# Altium PCB OCP-TimeCardMini-TI_V1.PcbDoc (part 6 of 11) (continued)
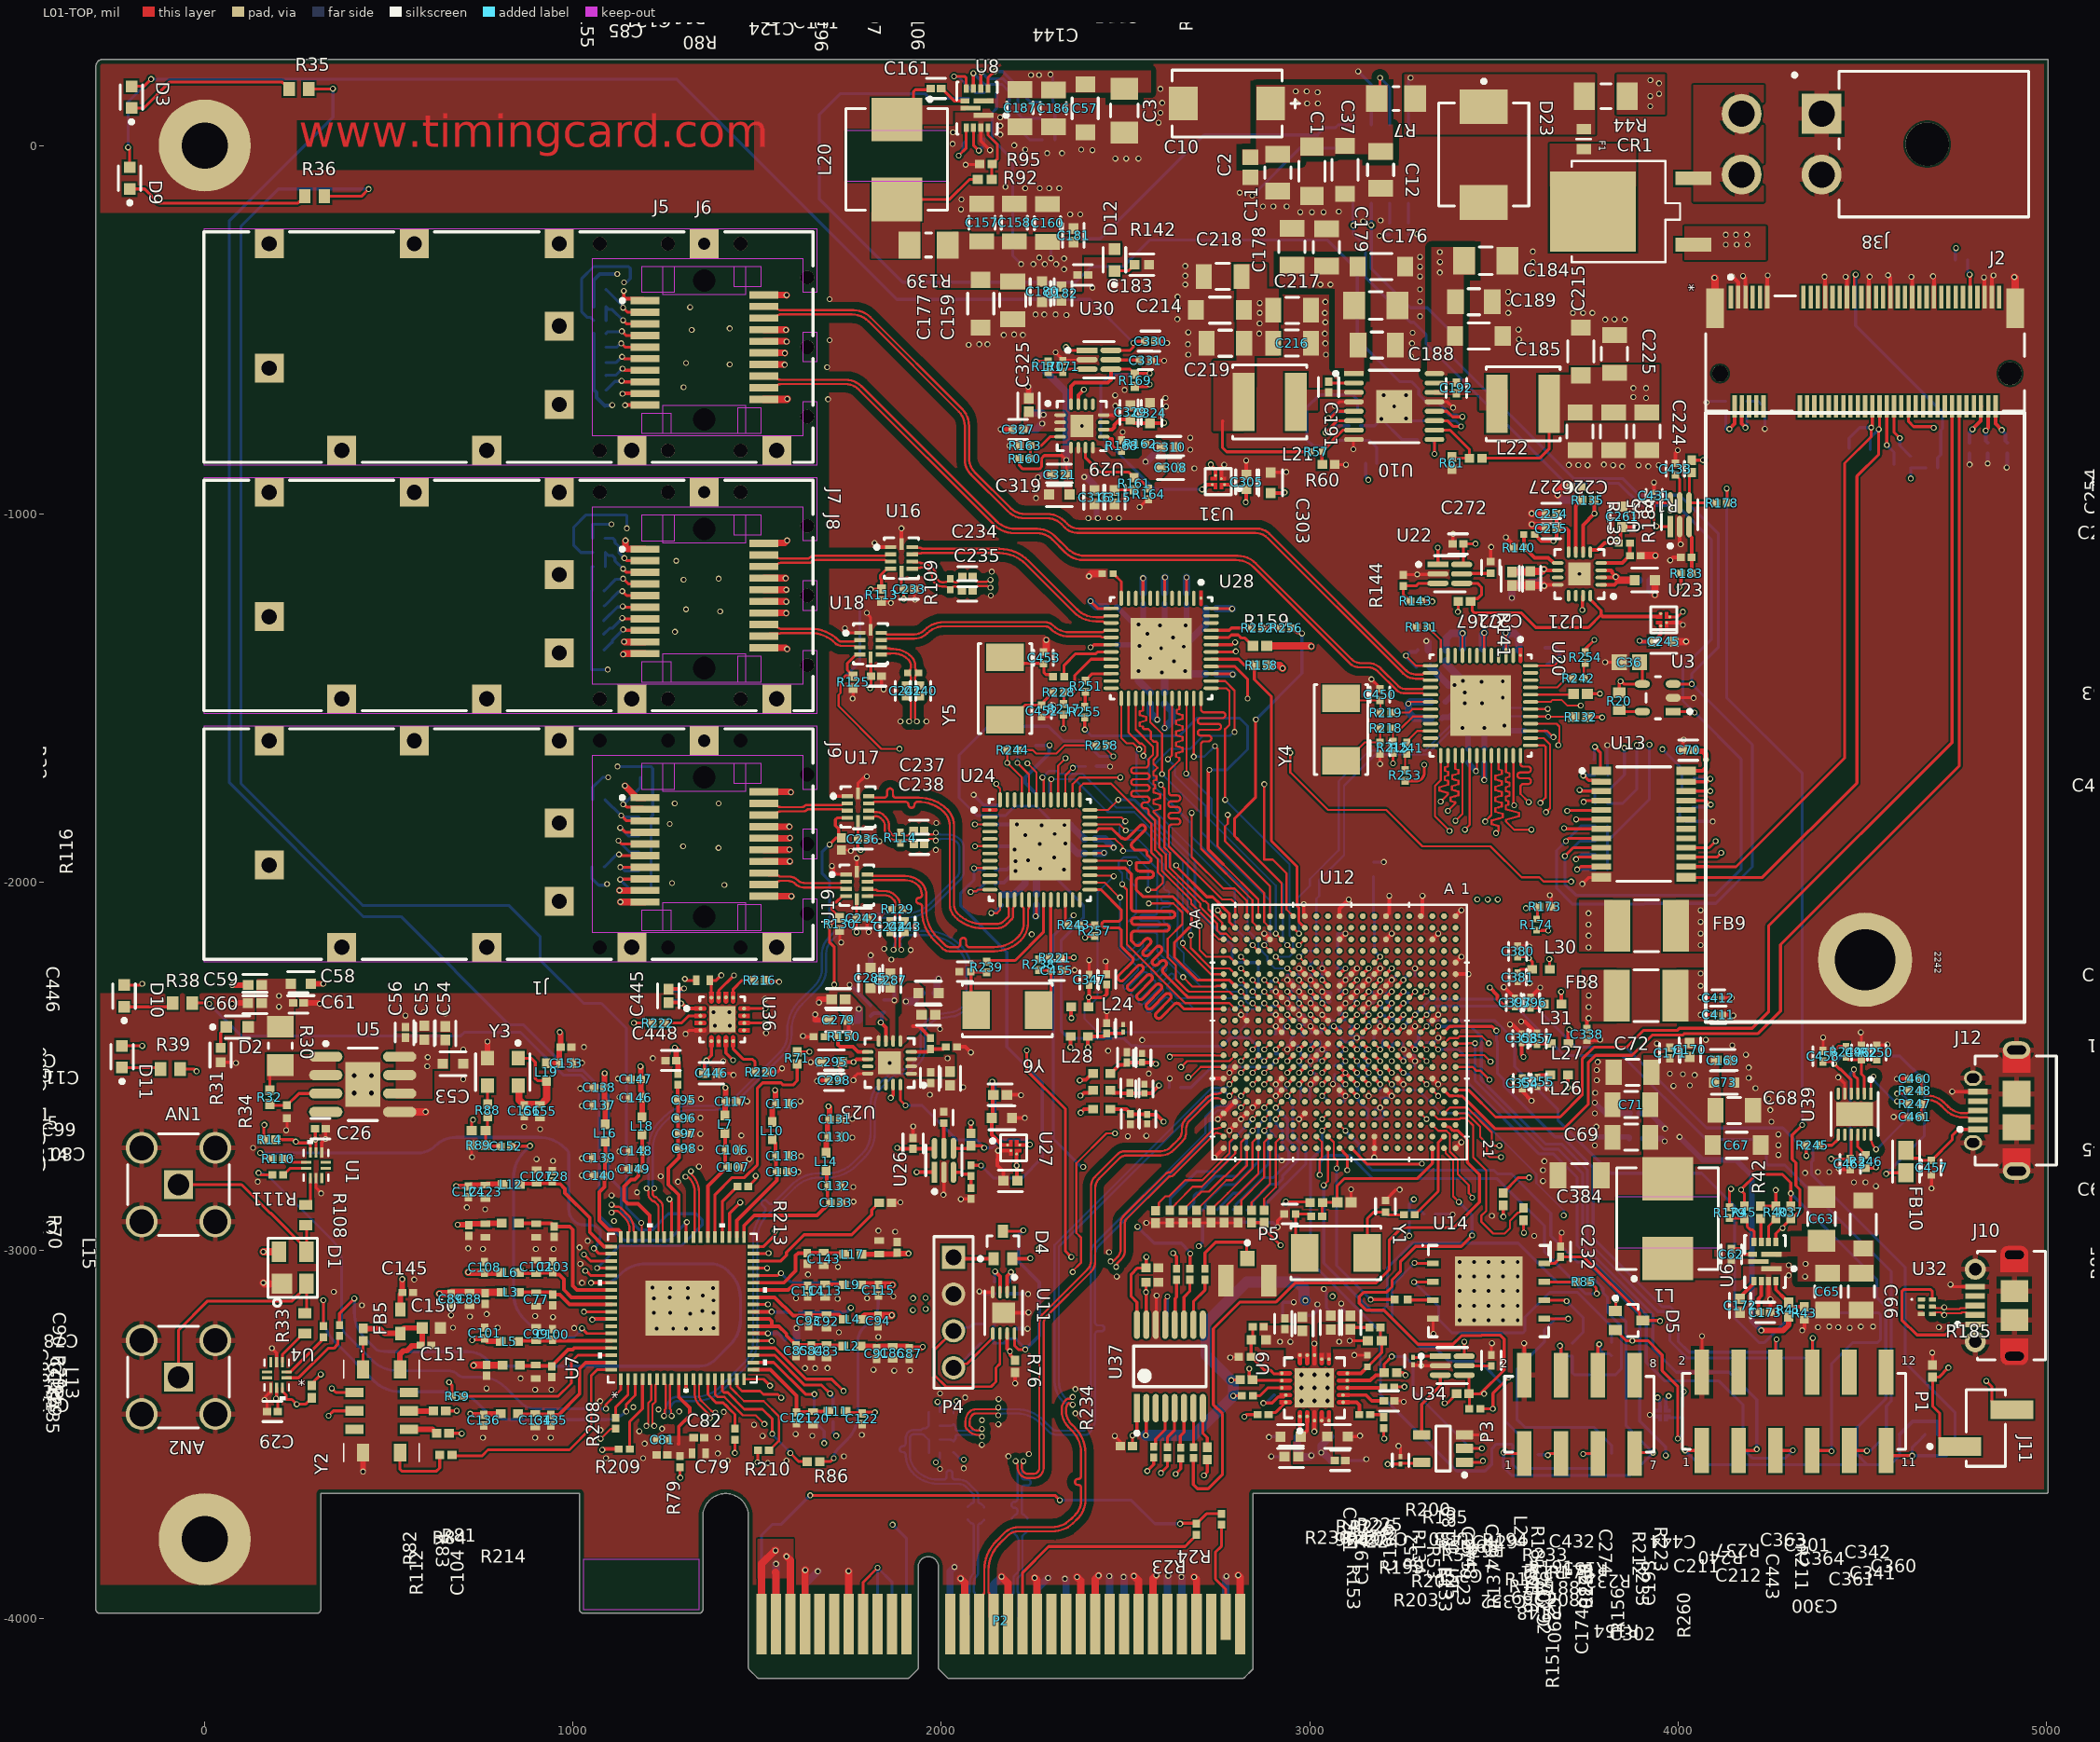
[diagram p0: L01-TOP view]
## Nets (pads, with @x,y where several pads share a name; then routed paths per layer and width w, separated by ;. In a path a pad name is that pad's centre, name@x,y a point inside that pad or via, vN(x,y) a via of type N, cw(c..) or ccw(c..) an arc to the next point about the centre after c; other vN are vias at no path point) (continued)
  L10-BOT w8: R28.2@1053.16,-1776.42 1053.16,-1742.82 1080.59,-1715.4 v3(1095.31,-1715.4) ; R18.2@1054.03,-1104.98 1020.91,-1104.98 1001.97,-1086.05 1001.97,-1035.85 1034.45,-1003.37 1143.65,-1003.37 1146.21,-1005.93 v3(1146.21,-1039.31) ; R9.2@1056.1,-474.6 1048.29,-466.79 1038.86,-466.79 1023.62,-451.56 1023.62,-361.14 1056.03,-328.73 1150.82,-328.73 1155.51,-333.42 1155.51,-361.05 1145.06,-371.49 v3(1138.2,-371.49) ; C105.2@1389.93,-2518.84 1428.42,-2518.84 1433.14,-2523.56 v1(1435.3,-2523.56) ; C276.2@2183,-2639.63 2183.43,-2640.06 v1(2226.45,-2640.06) ; v1(2556.43,-2925.24) 2620.77,-2925.24 R201.1@2620.99,-2925.03 ; v1(2584.22,-3122.44) 2584.94,-3123.16 C451.2@2584.94,-3179.33 ; R72.1@2618.03,-2558.07 2618.99,-2557.11 2618.99,-2534.25 v3(2619.94,-2533.3) ; R193.1@2749.07,-2923.02 2875.18,-2923.02 R198.1@2876.49,-2924.33 2900.31,-2924.33 2912.73,-2936.75 v1(2912.99,-2936.75) ; v1(2844.14,-136.45) 2974.87,-5.72 C19.1@3022.21,-5.72 3023.37,-6.89 C20.2@3069.11,-6.89 ; v1(2889.12,-3506.78) 2890.47,-3505.43 C198.2@2929.86,-3505.43 ; C334.1@2893.81,-2292.8 2907.99,-2292.8 v2(2907.99,-2297.08) ; v1(2895.59,-3559.4) 2896.19,-3560 C200.2@2940.68,-3560 ; C390.2@2896.19,-2356.79 2907.99,-2356.79 v2(2907.99,-2360.07) ; C335.1@2905.63,-2412.56 2907.99,-2412.56 v2(2907.99,-2391.57) ; v2(2907.99,-2549.05) 2907.99,-2551.21 2909.89,-2553.11 2909.89,-2561.02 2911.06,-2562.19 C350.2@2912.86,-2562.19 ; C206.2@2926.77,-3179.25 2926.77,-3140.69 v1(2956.64,-3140.69) ; v2(2939.49,-2454.56) 2939.49,-2442.78 C344.2@2944.82,-2442.78 2946.62,-2442.78 2947.79,-2441.61 2947.79,-2427.97 2950.13,-2425.64 2950.13,-2423.84 2955.23,-2418.73 C346.2@2957.03,-2418.73 ; v2(2939.49,-2328.57) 2939.49,-2326.41 2942.32,-2323.58 2942.32,-2314.03 2943.49,-2312.86 C382.2@2945.29,-2312.86 ; C392.2@2943.58,-2250.87 2939.49,-2250.87 v2(2939.49,-2265.58) 2939.49,-2270.61 C391.2@2953.44,-2270.61 ; C389.2@2967.44,-2373.79 2968.28,-2373.79 2969.45,-2372.62 2969.45,-2361.6 v2(2970.98,-2360.07) 2973.15,-2360.07 2974.79,-2361.71 2984.3,-2361.71 2985.47,-2362.88 C345.2@2985.47,-2364.68 ; C205.2@2980.28,-3176.37 3008.68,-3176.37 3019.42,-3165.63 3019.42,-3148.22 v1(3020.95,-3146.69) ; C343.2@2998.6,-2471.07 2999.78,-2471.07 3000.95,-2472.24 3000.95,-2484.52 v2(3002.48,-2486.05) 3000.95,-2487.58 3000.95,-2499.75 2999.78,-2500.92 C349.2@2998.99,-2500.92 ; C385.2@3000.12,-2588.25 2999.47,-2587.6 2999.47,-2563.11 3000.95,-2561.63 3000.95,-2550.58 v2(3002.48,-2549.05) 3004.01,-2547.52 3011.92,-2547.52 C336.1@3014.81,-2544.62 ; v2(3002.48,-2265.58) 3002.48,-2251.1 C393.2@3009.72,-2251.1 ; C409.2@3020.53,-2460.32 3020.53,-2458.52 3021.7,-2457.35 3029.02,-2457.35 3031.81,-2454.56 v2(3033.97,-2454.56) ; C362.2@3028.82,-2432.65 3028.82,-2447.24 3033.97,-2452.39 v2(3033.97,-2454.56) ; C394.2@3032.22,-2219.31 3033.97,-2219.31 v2(3033.97,-2234.09) ; v1(3038.67,-3104.95) 3038.67,-3107.11 3045.11,-3113.55 3045.11,-3155.5 C210.2@3057.82,-3168.21 ; C367.2@3052.78,-2468.22 3050.98,-2468.22 3044.58,-2461.82 3043.2,-2461.82 3035.93,-2454.56 v2(3033.97,-2454.56) ; C369.2@3055.14,-2444.65 3054.21,-2445.58 3042.96,-2445.58 v2(3033.97,-2454.56) ; v3(3063.02,-2548.51) 3063.02,-2546.35 3067.8,-2541.57 C339.1@3067.8,-2521.84 ; C414.2@3076.1,-2193.87 3076.1,-2139.6 v2(3096.97,-2139.6) ; 3076.82,-2598.46 3079.96,-2595.32 3092.69,-2595.32 3095.44,-2592.58 3095.44,-2582.07 v2(3096.97,-2580.54) ; C387.2@3080.11,-2575.79 3080.11,-2577.59 3081.28,-2578.76 3093.02,-2578.76 v2@3094.8,-2580.54 ; C418.2@3085.25,-2424.25 3085.25,-2425.69 3089.19,-2429.63 3090.63,-2429.63 3095.54,-2434.53 3114.1,-2434.53 v2@3125.77,-2422.86 ; v1(3085.83,-3144.37) 3087.36,-3145.9 3087.36,-3157.24 3110.14,-3180.02 C213.2@3110.14,-3181.38 ; C203.2@3096.22,-3570.08 3150.3,-3570.08 v1(3153.66,-3566.72) ; v2(3096.97,-2265.58) C434.2@3105.76,-2256.79 ; C371.2@3109.31,-2413.45 3109.31,-2415.24 3110.48,-2416.42 3119.32,-2416.42 v2@3125.77,-2422.86 ; C434.2@3119.67,-2242.87 v2(3128.46,-2234.09) ; v2(3128.46,-2297.08) 3128.46,-2294.91 3131.7,-2291.68 3131.7,-2286.4 3132.87,-2285.23 C417.2@3134.67,-2285.23 ; v1(3131.84,201.01) 3167.57,165.28 U2.6@3167.57,56.1 ; C195.1@3137.24,-760.53 3176.42,-760.53 v1(3194.63,-742.32) 3250.55,-798.24 C209.1@3293.16,-798.24 ; C356.2@3145.43,-2420.51 3144.26,-2421.68 3129.12,-2421.68 v2(3127.94,-2422.86) v2@3125.77,-2422.86 ; C368.2@3149.5,-2480.86 3149.5,-2482.66 3150.67,-2483.83 3155.57,-2483.83 3157.79,-2486.05 v2(3159.96,-2486.05) ; C425.2@3153.93,-2526.72 3155.73,-2526.72 3156.9,-2525.55 3156.9,-2523.75 3158.43,-2522.23 3158.43,-2519.08 v2(3159.96,-2517.55) ; C410.2@3155.28,-2499.43 3157.08,-2499.43 3158.25,-2498.26 3158.25,-2496.46 3158.43,-2496.29 v2@3158.43,-2487.58 ; v2(3159.96,-2328.57) 3160.9,-2327.63 3173.23,-2327.63 C415.2@3174.17,-2326.69 ; v2(3159.96,-2265.58) C435.2@3169.79,-2255.75 ; R66.1@3173.23,-1945.87 3200.76,-1945.87 v1(3201.19,-1945.45) ; C333.1@3174.43,-2427.51 3174.43,-2408.59 v2(3191.45,-2391.57) 3189.92,-2390.04 3189.92,-2382.37 3184.67,-2377.12 C395.2@3182.88,-2377.12 ; C428.2@3176.87,-2642.22 3193.17,-2642.22 3201.7,-2633.68 3201.7,-2624.45 3191.45,-2614.2 v2(3191.45,-2612.04) 3189.29,-2612.04 3185.67,-2615.66 3179.68,-2615.66 C426.2@3178.51,-2616.83 ; C435.2@3183.71,-2241.83 v2(3191.45,-2234.09) ; v1(3189.56,-245.18) 3192.62,-242.13 R62.2@3216.88,-242.13 ; C400.2@3191.51,-2585.97 3215.36,-2585.97 3220.79,-2580.54 v2(3222.95,-2580.54) ; C401.2@3209.08,-2322.99 3209.08,-2324.78 3210.25,-2325.96 3218.17,-2325.96 3220.79,-2328.57 v2(3222.95,-2328.57) 3222.95,-2330.74 3220.19,-2333.5 3220.19,-2340.95 3219.01,-2342.12 C379.2@3217.22,-2342.12 ; v2(3222.95,-2265.58) 3237.1,-2251.44 3237.1,-2251.2 3240.14,-2248.16 C436.2@3240.14,-2246.86 ; C386.2@3251.47,-2436.86 3252.96,-2438.34 3252.96,-2453.07 v2(3254.45,-2454.56) ; C403.2@3252.16,-2373.32 3253.3,-2372.17 3253.3,-2361.21 v2(3254.45,-2360.07) ; v2(3254.45,-2297.08) 3256.61,-2297.08 3259.89,-2300.35 3266.99,-2300.35 3268.16,-2301.52 C402.2@3268.16,-2303.32 ; v1(3261.19,-740.74) 3263.36,-740.74 3269.68,-747.06 C196.2@3323.73,-747.06 ; R64.2@3267.57,-242.13 3289.93,-242.13 v1(3291.53,-240.53) ; C405.2@3280.71,-2470.34 3282.51,-2470.34 3283.68,-2471.51 3283.68,-2481.63 3285.94,-2483.89 v2(3285.94,-2486.05) 3284.85,-2487.15 3284.85,-2497.22 C399.2@3283.75,-2498.32 ; v2(3285.94,-2234.09) 3286.25,-2234.39 3286.25,-2253.61 C416.2@3286.55,-2253.92 ; C423.2@3315.56,-2435.6 3336.54,-2435.6 v3(3349.43,-2422.71) ; R187.2@3340.64,-2901.3 3386.98,-2901.3 v1(3388.18,-2902.5) ; v1(3807.99,-1628.12) 3806.71,-1629.39 R126.1@3806.71,-1667.51 3808.16,-1668.96 3808.16,-1708.19 R127.1@3809.62,-1709.64 ; v1(3923.48,-3446.31) 3927.92,-3450.75 U15.2@3951.15,-3450.75 ; R128.1@4004.5,-1796.26 4004.5,-1819.88 4019.69,-1835.08 v1(4094.36,-1835.08) ; v1(4077.41,-697.47) 4080.6,-694.28 C164.2@4129.49,-694.28 ; C165.2@4187.01,-694.28 4217.89,-694.28 4235.58,-711.98 v1(4235.58,-769.37) ; C459.2@4393.5,-2454.76 4393.5,-2422.36 v1(4394.14,-2421.73) ; v1(4436.55,-2777.95) 4437.59,-2778.99 4466.32,-2778.99 C464.2@4467.36,-2780.03
  L10-BOT w10: C447.2@1258.82,-2294.38 1294.04,-2294.38 1299.73,-2288.69 v1(1301.36,-2288.69) ; v1(1645.19,-2488.79) 1645.36,-2488.62 1682.86,-2488.62 C296.2@1683.03,-2488.44 ; v1(1750.94,-2278.59) 1752.49,-2278.59 R152.1@1808.23,-2334.34 ; v1(2087.71,-1762.83) 2115.67,-1790.79 C289.2@2159.45,-1790.79 ; v1(2103.3,-3111.46) 2104.92,-3111.46 2111.23,-3117.77 R77.1@2144.1,-3117.77 ; C294.2@2146.26,-1966.17 2178.09,-1966.17 v1(2200.79,-1943.47) ; C293.2@2146.26,-1843.35 v1(2205.5,-1843.35) ; R145.2@2146.63,-2005.54 2150.49,-2001.68 2169.21,-2001.68 v1(2201.56,-1969.33) ; C284.2@2155.24,-1902.89 2188.28,-1902.89 2197.2,-1911.81 v1(2198.82,-1911.81) ; R78.2@2183.47,-3117.77 2234.89,-3117.77 v1(2235.47,-3118.35) ; C76.2@2203.16,-3211.13 2204.68,-3212.66 v1(2233.93,-3212.66) ; C282.2@2420.91,-1685.38 2456.92,-1685.38 v1(2458.03,-1686.5) ; v1(2827.61,-855.47) 2828.16,-856.03 C304.2@2828.16,-895.13 ; R172.1@2907.99,-2722.35 2907.99,-2739.12 v3(2924.36,-2755.49) ; v2(2939.49,-2328.57) 2939.49,-2330.2 2944.51,-2335.22 C376.2@2944.51,-2343.61 ; v2(2970.98,-2297.08) 2972.13,-2295.93 C375.2@2972.13,-2286.08 ; v2(3002.48,-2391.57) 3002.48,-2393.19 3006.24,-2396.95 3006.24,-2407.14 3006.42,-2407.31 C378.2@3008.21,-2407.31 ; v2(3002.48,-2328.57) 3002.48,-2326.95 3007.74,-2321.69 3007.74,-2313.59 C374.2@3007.91,-2313.42 ; v2(3033.97,-2297.08) 3035.6,-2297.08 3039.96,-2301.44 3056.51,-2301.44 3056.68,-2301.61 C383.2@3056.68,-2303.41 ; C373.2@3080.67,-2273.52 3080.67,-2271.72 3080.84,-2271.55 3089.37,-2271.55 3095.34,-2265.58 v2(3096.97,-2265.58) ; C166.2@4791.34,-836.24 4791.34,-865.34 v1(4792.03,-866.03) ; C167.2@4840.55,-836.24 4840.55,-863.18 v1(4840.65,-863.27) ; v1(4892.36,-874.31) 4893.7,-872.97 C168.2@4893.7,-836.24
  L10-BOT w15: v1(1657.51,-2359.1) 1657.51,-2374.39 C281.2@1701.4,-2374.39 ; C286.2@1807.3,-2242.08 1807.3,-2198.42 v1(1808.23,-2198.42) ; v1(2235.84,-654.57) 2238.97,-657.71 C328.2@2238.97,-696.86 ; v1(2262.19,-900.79) 2262.46,-900.79 2268.85,-894.41 C320.2@2301.89,-894.41 ; C314.2@2415.67,-977.92 2421.95,-984.2 2421.95,-1008.76 2424.89,-1011.7 v1(2424.89,-1011.97) ; C307.2@2475.26,-1355.39 2533.99,-1355.39 2537.43,-1358.83 v1(2537.7,-1358.83) ; C318.2@2475.26,-1252.25 2476.62,-1252.25 2524.79,-1300.42 2534.69,-1300.42 v1(2534.88,-1300.61) ; v1@2534.88,-1300.34 2547.51,-1287.72 C322.2@2547.51,-1243.77 ; v1(2593.02,-1302.85) 2593.02,-1302.58 2606.56,-1289.04 C311.2@2606.56,-1243.77 ; v1(2663.51,-1302.77) 2663.51,-1302.5 2665.62,-1300.39 C323.2@2665.62,-1243.77 ; C248.2@3358.58,-1554.74 3361.16,-1552.16 3379.02,-1552.16 3416.99,-1514.19 3421.13,-1514.19 v1(3421.32,-1514) ; C247.2@3367.74,-1510.66 3368.58,-1510.66 3393.87,-1485.38 3420.7,-1485.38 v1(3420.9,-1485.18) ; v1(3414.58,-1580.97) 3414.58,-1581.25 3429.7,-1596.36 C246.2@3429.7,-1637.99 ; C251.2@3473.78,-1637.99 v1(3473.78,-1580.97) ; v1(3528.12,-1574.43) 3528.4,-1574.43 3543.11,-1589.15 C250.2@3583.03,-1589.15 ; v1(3774.18,-2598.51) 3803.46,-2627.79 C366.2@3869.95,-2627.79 ; v1(3775.17,-2691.43) 3775.36,-2691.62 3866.44,-2691.62 3867.8,-2692.98 C365.2@3867.8,-2696.51
  L10-BOT w20: C74.1@1606.67,-3242.9 1606.67,-3210.96 v1(1606.81,-3210.82) ; P2.A4@1629.92,-4014.27 1629.92,-3905.74 v1(1664.54,-3871.12) ; C291.2@1983.44,-2301.62 1984.75,-2301.62 1987.99,-2298.39 1987.99,-2266.61 v1(1992.63,-2261.97) ; P2.A12@2023.62,-4014.27 2023.62,-3871.26 v1(2035.34,-3859.53) ; P2.A15@2141.73,-4014.27 2141.73,-3907.24 v1(2163.16,-3885.82) ; C288.2@2164.16,-2033.71 2197.44,-2033.71 2227.24,-2003.9 2227.24,-1949.22 v1(2235.35,-1941.12) ; C278.2@2257.87,-2033.71 2257.87,-1973.55 v1(2267.96,-1963.47) ; P2.A18@2259.84,-4014.27 2259.84,-3919 v1(2289.42,-3889.42) ; v1(2334.04,-1845.18) 2350.28,-1845.18 2387.82,-1882.72 C283.2@2389.17,-1882.72 ; v1(2335.29,-3891.48) 2338.58,-3894.78 P2.A20@2338.58,-4014.27 ; v1(2336.21,-1895.18) 2343.47,-1895.18 2370.3,-1922.01 2389.09,-1922.01 C277.2@2389.17,-1922.09 ; v1(2455.88,-3884.27) 2456.69,-3885.08 P2.A23@2456.69,-4014.27 ; v1(2495.05,-3886.33) 2496.06,-3887.34 P2.A24@2496.06,-4014.27 ; v1(2535.1,-1427.21) 2535.1,-1453.24 2567.19,-1485.33 C306.2@2567.19,-1486.69 ; v1(2599.03,-1430.47) 2606.56,-1438 C312.2@2606.56,-1486.69 ; P2.A27@2614.17,-4014.27 2614.17,-3885.26 v1(2615.9,-3883.53) ; v1(2651.72,-3886.33) 2653.54,-3888.15 P2.A28@2653.54,-4014.27 ; v1(2657.67,-1360.5) 2718.18,-1299.99 C317.2@2718.18,-1256.96 ; v1(2661.89,-1427.21) 2668.8,-1434.13 C313.2@2718.18,-1434.13 ; P2.A31@2771.65,-4014.27 2771.65,-3886.99 v1(2773.86,-3884.78) ; v1(3316.76,-1345.3) 3321.67,-1350.21 C259.2@3321.67,-1370.27 ; C258.2@3327.5,-1415.57 3377.32,-1465.39 v1(3393.05,-1465.39) ; C264.2@3370.64,-1399.05 3370.64,-1407.71 v1(3415.94,-1453.01) ; v1@3549.01,-1228.34 C268.2@3549.01,-1191.99 ; C269.2@3598.55,-1184.59 3610.27,-1184.59 cw(c3610.27,-1222.23) v1(3636.88,-1195.62) ; v1(3602.71,-998.88) 3603.28,-999.45 C253.2@3641.46,-999.45 ; v1(3673.34,-949.11) 3687.12,-962.89 C256.2@3716.5,-962.89 ; C270.2@3924.4,-1179.72 3924.4,-1206.95 v1(3937.57,-1220.12) ; C249.2@3975.47,-1346.75 4021.53,-1346.75 v1(4021.66,-1346.62)
  other v1: 1996.39,-3593.3 2061.01,-3591.53 1528.8,-3577.03 1419.92,-3570.68 1579.44,-3570.68 1089.45,-3564.01 1190.39,-3564.01 1735.33,-3559.04 2182.09,-3558.66 2237.74,-3552.65 1392.98,-3551.17 2109.83,-3527.89 1194.33,-3524.36 755.4,-3508.62 1392.98,-3508.62 897.15,-3508.41 939.26,-3508.41 1514.56,-3503.71 1649.6,-3503.46 1784.05,-3500.62 1604.55,-3498.54 1179.69,-3491.26 1074.19,-3487.62 1241.55,-3484.12 1355.27,-3473.45 1491.63,-3473.3 2154.88,-3472.22 2110.15,-3460.96 2363.95,-3442.24 1409.14,-3438.57 1288.13,-3437.26 1232.06,-3431.85 1163.89,-3425.53 1073.51,-3409.16 2155.2,-3403.67 2064.56,-3399.1 1996.39,-3388.01 897.15,-3378.16 940.99,-3378.16 2363.95,-3376.5 764.94,-3374.7 857.36,-3347.17 1872.04,-3326.53 1915.33,-3325.63 1815.86,-3323.96 1629.92,-3319.61 1657.2,-3319.61 1690.79,-3319.61 1828.65,-3235.11 1721.8,-3222.57 1347.36,-3213.62 1226.61,-3211.82 1271.95,-3211.82 1307.14,-3211.82 1002.98,-3210.51 1380.88,-3211.13 673.97,-3209.63 795.13,-3209.63 4466.07,-3210.27 4379.92,-3208.66 4435.02,-3208.66 4708.29,-3208.66 4410.41,-3206.66 4496.08,-3206.66 4529.51,-3206.66 3407.21,-3189.14 3446.58,-3189.14 3485.95,-3189.14 3525.32,-3189.14 3564.69,-3189.14 945.4,-3181.13 720.13,-3179.33 897.15,-3178.35 668.6,-3176.15 765.49,-3172.84 1318.07,-3171.44 1218.89,-3169.4 1263.24,-3169.4 1380.88,-3169.4 1351.36,-3164.29 3407.21,-3149.77 3446.58,-3149.77 3485.95,-3149.77 3525.32,-3149.77 3564.69,-3149.77 426.71,-3148.92 1380.88,-3135.79 1718.3,-3131.57 1218.89,-3130.57 1605.34,-3130.23 1798.26,-3130.23 1311.72,-3128.85 1262.34,-3128.08 1869.94,-3124.87 1351.94,-3121.97 350.49,-3112.37 3407.21,-3110.4 3446.58,-3110.4 3485.95,-3110.4 3525.32,-3110.4 3564.69,-3110.4 1263.24,-3102.37 1311.72,-3102.15 1380.48,-3102.37 1215.72,-3101.05 1024.17,-3088.05 568.5,-3079.16 2476.38,-3071.11 3407.21,-3071.03 3446.58,-3071.03 3485.95,-3071.03 3525.32,-3071.03 3564.69,-3071.03 4300.33,-3067.63 1637.97,-3065.05 1719.1,-3044.65 4300.74,-3040.25 1019.94,-3036.32 3407.21,-3031.66 3446.58,-3031.66 3485.95,-3031.66 3525.32,-3031.66 3564.69,-3031.66 2455.08,-3004.93 755.4,-2995.81 898.79,-2995.81 947.01,-2995.81 715.16,-2994.23 1017.54,-2991.88 1039.56,-2974.22 3609.54,-2960.59 1874.43,-2949.06 1828.73,-2946.1 1111.19,-2919.86 3494.88,-2906.29 761.37,-2888.22 711.58,-2882.94 1761.63,-2867.56 1104.65,-2850.7 1173.89,-2842.22 1760.85,-2827.84 4537.37,-2825.7 4477.46,-2814.93 4508.98,-2814.93 143.98,-2813.4 1284.79,-2813.4 3633.23,-2811.52 1237.71,-2798.64 1024.17,-2796.33 4345.28,-2789.19 1611.44,-2786.65 4379.92,-2787.18 4410.41,-2787.18 3633.23,-2782.12 1122.09,-2780.98 1341.66,-2772.4 3637.08,-2757.6 945.4,-2756.95 900.97,-2752.02 1478.35,-2752.02 1024.17,-2749.85 1619.36,-2743.66 4272.56,-2740.92 1125.7,-2731.11 1346.1,-2721.78 131.07,-2721.46 3774.18,-2715.19 4272.56,-2714.35 1758.04,-2693.76 2506.23,-2690.14 2556.43,-2689 1456.97,-2687.81 4272.56,-2685.2 1345.53,-2683.74 910.5,-2670.61 867.15,-2664.43 3778.17,-2663.99 4253.86,-2650.71 1758.04,-2643.11 1346.13,-2640.07 3774.18,-2627.88 4250.54,-2618.48 1024.17,-2607.52 1472.99,-2595.2 1617.03,-2595.2 1347.36,-2588.05 4245.99,-2588.35 1126.26,-2583.71 1969.01,-2577.35 3775.17,-2571.88 1019.94,-2560.18 4210.27,-2559.24 2059.05,-2556.85 3779.74,-2537.69 701.8,-2534.96 1122.09,-2533.5 4192.05,-2531.61 2563.29,-2519.87 3779.74,-2509.85 4192.05,-2503.49 1024.17,-2490.56 1859.17,-2490.56 3782.1,-2488.22 1408.11,-2486.59 1216.42,-2478 4184.65,-2468.87 2452.74,-2457.87 701.8,-2454.58 1029.63,-2447.53 4147.32,-2443.54 3942.57,-2438.34 2544.99,-2428.66 4075.84,-2428.22 1523.89,-2409.77 1996.39,-2398.54 1384.82,-2389.95 1425.86,-2389.95 545.1,-2362.29 652.86,-2356.97 594.31,-2353.22 1381.88,-2353.22 1424.86,-2353.22 1521.52,-2316.82 1864.09,-2210.35 1916.65,-2184.2 1844.75,-2181.2 2332.49,-1965.55 2306.31,-1932.69 1985.11,-1912.43 2267.32,-1896.5 2228.32,-1872.64 2308.09,-1869.18 2272.16,-1846.23 1986.19,-1839.41 1889.25,-1563.57 1959.32,-1563.57 3467.58,-1514 3524.2,-1499.46 3466.23,-1456.5 3524.2,-1454.65 2630.96,-1399.81 2567.19,-1392.15 2596.72,-1365.23 2629.42,-1335.87 2559.7,-1325.41 3548.98,-1228.37 2134.37,-1221.87 3732.4,-1163.14 2136.79,-1157.11 2399.02,-1011.97 2456.36,-1011.97 2481.68,-1011.97 2256.92,-957.06 2257.87,-934 2686.79,-876.34 3848.3,-871.06 3919.41,-871.06 3729.29,-867.6 3754.5,-868.07 3823.72,-868.07 3893.18,-868.07 3947.3,-868.07 3703.7,-867.13 3798.79,-866.14 2675.7,-825.76 2675.7,-793.5 2381.58,-761.32 2609.89,-708.72 3229.42,-708.68 2608.39,-685.24 2471.76,-678.16 3200.89,-678.16 3261.19,-678.16 2497.55,-663.4 3275.74,-573.14 2670.33,-567.62 3043.94,-567.62 2074.08,-541.34 2669.31,-539.58 2103.07,-539.44 2124.91,-539.44 3042.26,-537.15 3277.85,-537.15 3568.21,-526.24 2169.37,-514.11 2221.04,-514.11 2197.61,-513 3041.1,-510.26 2670.33,-507.59 3279.39,-508.2 3566.98,-499.76 3042.26,-479.77 3802.28,-472.36 3827.6,-472.04 3855.43,-472.36 2640.83,-471.3 3299.41,-463.52 2339.59,-460.24 2255.8,-458.66 2279.19,-458.5 2310.1,-458.66 3041.1,-454.45 3539.11,-454.45 3714.68,-454.45 3742.23,-454.45 3767.55,-454.45 2640.83,-438.18 3539.11,-427.71 3042.26,-424.4 3299.41,-423.71 2641.22,-410.62 3539.11,-397 3299.41,-390.56 2410.11,-386.24 2662.29,-377.31 3299.41,-355.5 2662.29,-353.5 3605.82,-345.15 3299.41,-328.97 2662.29,-326.83 3605.82,-316.27 3299.41,-302.46 3605.82,-287.63 3144.87,-205.71 3192.48,-203.45 2349.76,-187.01 2377.25,-187.01 2974.59,-181.1 3006.09,-181.1 3037.59,-181.1 3079.05,-179.13 2053.3,-173.23 2873.11,-165.35 2901.3,-165.35 2937.2,-165.35 2054.35,-146.58 2809.8,-127.99 2227.32,-116.17 2267.25,-116.17 2292.97,-116.17 2319.9,-116.17 2174.05,-112.2 2472.35,-35.54 2501.88,-35.54 2534.88,-35.54 2287.44,-20.67 2327.28,-20.67 2410.11,-12.5 2227.32,-10.83 2379.61,-10.83 2198.04,0.67 2030.31,4.69 2159.93,29.82 2031.5,35.69 2159.93,53.88 2589.97,62.01 2159.93,76.35 2594.73,88.87 2599.49,116.02 2594.73,153.86
  other v2: 3159.96,-2580.54 3222.95,-2486.05
  other v3: 1410.86,-2007.72 1268.9,-2002.8 1298.6,-1902.89 1262.25,-1841.82 1275.89,-1786.19 1276.57,-1320.35 1306.85,-1259.27 1300.13,-1178.76 1280.03,-1127.69 1692.35,-688.98 1300.13,-656.46 1689.76,-602.12 1306.85,-590.34 1696.24,-528.34 1322.19,-500.84 1317.85,-438.95 1696.24,-417.38
  other v4: 2977.52,-3408.43 3012.95,-3408.43 3048.38,-3408.43 2977.52,-3372.99 3012.95,-3372.99 3048.38,-3372.99 2977.52,-3337.56 3012.95,-3337.56 3048.38,-3337.56
  other v5: 405.33,-2572.58 452.58,-2572.58 405.33,-2525.34 452.58,-2525.34
GPS1_PIN15: J2.44 R101.1 | length 166.2
  L01-TOP w8: v1(4566.93,-813.44) J2.44@4566.93,-708.68
  L10-BOT w8: v1(4566.93,-813.44) 4586.61,-833.12 R101.1@4586.61,-866.73
LED1: R35.1 U7.58 | length 4428.3
  L01-TOP w8: R35.1@282.48,153.54 347.37,153.54 v3(348.02,154.19) ; v1(1065.42,-3047.86) 1065.63,-3048.08 1103.66,-3048.08 U7.58@1103.88,-3048.3
  L10-BOT w8: v3(348.02,154.19) 348.02,77.14 66.93,-203.95 66.93,-1730.31 429.96,-2093.35 532.5,-2093.35 826.77,-2387.63 865.45,-2387.63 988.38,-2510.56 1026.38,-2510.56 1096.38,-2580.57 1096.38,-2799 1131.65,-2834.27 1131.65,-2895.26 1180.69,-2944.3 1214.95,-2944.3 1258.64,-2900.6 1333.83,-2900.6 1351.36,-2918.13 1351.36,-2930.01 1294.38,-2986.98 1126.3,-2986.98 v1(1065.42,-3047.86)
LED2: R36.1 U7.51 | length 3972.7
  L01-TOP w5: v1(1185.43,-2925) 1187.01,-2926.57 1187.01,-2962.02 U7.51@1188.58,-2963.59
  L01-TOP w8: R36.1@324.8,-137.8 425.19,-137.8 v3(444.88,-118.11)
  L10-BOT w8: v3(444.88,-118.11) 199.81,-118.11 98.43,-219.5 98.43,-1732.28 429.96,-2063.82 826.77,-2063.82 910.5,-2147.55 910.5,-2210.35 1029.21,-2329.06 1076.81,-2329.06 1144.65,-2396.9 1144.65,-2884.22 v1(1185.43,-2925)
LED3: R38.1 U7.45 | length 1873.2
  L01-TOP w8: R38.1@-33.96,-2328.24 9.99,-2328.24 v1(12.29,-2330.54) ; U7.45@1306.72,-2963.59 1306.72,-2928.29 cw(c1314,-2928.29) v1(1308.86,-2923.15)
  L10-BOT w8: v1(12.29,-2330.54) 99.04,-2417.29 695.16,-2417.29 704.93,-2407.53 857.36,-2407.53 973.39,-2523.56 1020.99,-2523.56 1071.24,-2573.81 1071.24,-2905.15 1138.44,-2972.36 1259.64,-2972.36 v1(1308.86,-2923.15)
LED4: R39.1 U7.28 | length 2079.6
  L01-TOP w7.27: U7.28@1489.88,-3146.75 1490.03,-3146.6 1528.8,-3146.6 v1(1528.95,-3146.45)
  L01-TOP w8: R39.1@-67.36,-2507.43 -28.3,-2507.43 v1(-22.3,-2513.43)
  L03-SIG w5.58: v1(-22.3,-2513.43) 7.25,-2483.87 cw(c77.96,-2554.58) 77.96,-2454.58 437.88,-2454.58 cw(c437.88,-2554.58) 508.59,-2483.87 574.79,-2550.07 ccw(c645.5,-2479.36) 645.5,-2579.36 872.58,-2579.36 cw(c872.58,-2679.36) 943.29,-2608.65 1007.62,-2672.97 ccw(c1078.33,-2602.26) 1078.33,-2702.26 1343.75,-2702.26 cw(c1343.75,-2750.99) 1378.2,-2716.53 cw(c1338.23,-2756.5) 1394.76,-2756.5 1394.76,-2943.15 ccw(c1494.76,-2943.15) 1424.05,-3013.86 1517.55,-3107.37 cw(c1456.22,-3146.45) v1(1528.95,-3146.45)
M2_GPS1_PIN11: J2.20
M2_GPS1_PIN12: J2.22
M2_GPS1_RX: J2.62 U12.A16 | length 2905.1
  L01-TOP w8: U12.A16@3396.18,-2564.85 3431.58,-2564.85 3504.57,-2637.85 3679.53,-2637.85 3739.73,-2577.64 3739.73,-2480.7 3772.48,-2447.95 3861.22,-2447.95 3907.06,-2402.12 3998.6,-2402.12 4003.98,-2396.74 4201.54,-2396.74 4245.93,-2352.35 4245.93,-2119.16 4744.09,-1621 4744.09,-776.06 J2.62@4744.09,-708.68
M2_GPS1_TP1: R98.2 R102.2 R214.1 | length 6220.2
  L01-TOP w8: v1(1439.32,-3549.82) 1439.55,-3549.59 R214.1@1439.55,-3513.65
  L03-SIG w5.58: v1(1439.32,-3549.82) 1533.77,-3549.82 1631.45,-3647.5 2409.6,-3647.5 2475.78,-3713.68 2706.79,-3713.68 2782.01,-3638.46 2782.01,-3552.55 2880.71,-3453.84 3521.68,-3453.84 3551.69,-3483.86 4413.78,-3483.86 4657.4,-3240.23 4657.4,-2460.71 4910.6,-2207.51 4910.6,-1182.65 v1(4631.89,-903.94)
  L10-BOT w8: v1(4631.89,-903.94) R102.2@4631.89,-875.45 4632.11,-875.22 4673,-875.22 R98.2@4673.23,-875
M2_GPS1_TP2: J2.48
M2_GPS1_TX: J2.64 U12.B16 | length 2998.2
  L01-TOP w7: 3389.05,-2580.35 3402.81,-2580.35
  L01-TOP w8: U12.B16@3364.68,-2564.85 3380.18,-2580.35 3389.05,-2580.35 ; 3402.81,-2580.35 3403.31,-2580.86 3414.46,-2580.86 3426.68,-2593.07 3502.83,-2669.23 3690.63,-2669.23 3756.06,-2603.79 3756.06,-2490.22 3776.27,-2470.01 3875.44,-2470.01 3930.33,-2415.12 4013.67,-2415.12 4017.57,-2411.22 4217.29,-2411.22 4278.43,-2350.08 4278.43,-2169.81 4763.78,-1684.46 J2.64@4763.78,-708.68
M2_SCL: J2.40 R99.1 U13.14 | length 1636.8
  L01-TOP w7.27: 4084.3,-1957.68 4084.85,-1958.23 4157.37,-1958.23 4452.76,-1662.84 4452.76,-862.96 4524.53,-791.19 v1(4524.53,-765.73)
  L01-TOP w8: U13.14@4022.21,-1957.68 4084.3,-1957.68 ; v1(4524.53,-765.73) 4524.53,-763.56 4527.56,-760.54 J2.40@4527.56,-708.68
  L10-BOT w8: R99.1@4464.57,-821.32 4464.57,-794.74 4493.58,-765.73 v1(4524.53,-765.73)
M2_SDA: J2.42 R100.1 U13.13 | length 1682.9
  L01-TOP w7.27: v1(4544.99,-770.45) 4547.24,-768.2 J2.42@4547.24,-708.68
  L01-TOP w8: U13.13@4022.21,-1987.2 4229.46,-1987.2 4485.79,-1730.87 4485.79,-897.77 4544.99,-838.57 v1(4544.99,-770.45)
  L10-BOT w8: R100.1@4521.65,-826.24 4521.65,-793.79 v1(4544.99,-770.45)
MCU_OSC0_XI: R211.2 R223.2 R260.2 U12.C21 | length 448.6
  L01-TOP w8: R211.2@3033.93,-2907.6 3033.93,-2870.66 R223.2@3034.77,-2869.82 R260.2@3074.76,-2869.82 3074.76,-2823.87 3093.46,-2805.17 3291.44,-2805.17 3333.18,-2763.43 U12.C21@3333.18,-2722.35
MCU_OSC0_XO: R212.2 U12.B20 | length 245.7
  L01-TOP w7.49: 3348.93,-2752.85 3348.93,-2715.48
  L01-TOP w8: R212.2@3285.53,-2903.17 3286.52,-2903.17 3292.36,-2897.33 3292.36,-2895.98 3348.93,-2839.42 3348.93,-2752.85 ; 3348.93,-2715.47 3348.93,-2706.6 U12.B20@3364.68,-2690.85
MCU_PORZ: R180.2 R181.2 U12.B21 U15.4 U34.4 | length 2005.5
  L01-TOP w5.8: U12.B21@3364.68,-2722.27 3369.13,-2726.72 3369.13,-2736.21 3389.22,-2756.3 3389.22,-2852.65 v1(3405.14,-2868.56)
  L01-TOP w8: U34.4@3419.43,-3338.5 3429.29,-3338.5 3432.43,-3341.64 R181.2@3432.43,-3389.17 ; R180.2@3433.49,-3429.78 3433.49,-3390.23 R181.2@3432.43,-3389.17 ; v1(3440.85,-2959.42) 3411.19,-2989.08 3287.72,-2989.08 3246.33,-3030.47 3246.33,-3057.62 3223.63,-3080.33 3223.63,-3098.53 3208.1,-3114.06 3146.22,-3114.06 3134.64,-3125.64 3134.64,-3143.28 3153.84,-3162.48 3201.23,-3162.48 3293.51,-3254.76 3389.03,-3254.76 3412.59,-3231.2 3466.51,-3231.2 3467.27,-3230.44 3517.85,-3230.44 3527.96,-3240.55 3527.96,-3324.94 3463.73,-3389.17 R181.2@3432.43,-3389.17
  L08-SIG w5.58: v1(3473.57,-3389.17) 3621.51,-3389.17 3647.19,-3414.85 3955.11,-3414.85 v1(3974.75,-3395.22)
  L10-BOT w8: v1(3405.14,-2868.56) 3440.85,-2904.28 v1(3440.85,-2959.42) ; U15.4@3966.9,-3426.34 3966.9,-3403.07 v1(3974.75,-3395.22)
MCU_RESETSTATZ: U12.B13
MCU_RESETZ: R180.1 U12.B12 | length 1613.4
  L01-TOP w5.8: U12.B12@3364.68,-2438.81 3380.43,-2423.06 3402.7,-2423.06 3407.15,-2418.61 3467.52,-2418.61 v2(3486.22,-2437.31)
  L01-TOP w8: R180.1@3463.01,-3429.78 3497.14,-3429.78 v1(3497.56,-3430.2) 3497.56,-3387.87 v1(3540.13,-3345.3)
  L03-SIG w5.58: v2(3486.22,-2437.31) 3595.73,-2437.31 3608.42,-2450 3608.42,-2562.13 3707.2,-2660.9 3707.2,-2681.95 3769.59,-2744.34 3769.59,-3042.95 3798,-3071.36 3798,-3183.97 3801.97,-3187.94 3801.97,-3300.54 3764.95,-3337.56 3547.87,-3337.56 v1(3540.13,-3345.3)
MCU_SAFETY_ERRORN: U12.A20
MCU_TIMER_IO0: R227.1 U12.D8 | length 2408.9
  L01-TOP w5.8: U12.D8@3301.69,-2312.83 v2(3317.44,-2297.08)
  L01-TOP w8: v1(2635.92,-3607.31) 2649.92,-3593.3 R227.1@2649.92,-3564.68
  L08-SIG w5.58: v1(2635.92,-3607.31) 2635.92,-3513.63 2587.14,-3464.85 2509.18,-3464.85 2470.69,-3426.36 2470.69,-3123.68 2387.5,-3040.49 2387.5,-2953.54 2356.05,-2922.09 2356.05,-2732.79 2369.62,-2719.22 2679.23,-2719.22 2702.8,-2695.65 2735.68,-2695.65 2945.18,-2695.65 2986.53,-2654.3 2986.53,-2634.34 3019.12,-2601.74 3019.12,-2433.1 3024.95,-2427.27 3081.75,-2427.27 3101.38,-2407.64 3291.76,-2407.64 3301.23,-2398.17 3301.23,-2313.29 v2(3317.44,-2297.08)
MCU_TIMER_IO1: R240.1 U12.E8 | length 878
  L01-TOP w5.8: U12.E8@3270.19,-2312.83 v2(3285.94,-2297.08)
  L01-TOP w8: R240.1@3525.32,-2844.2 3525.32,-2843.22 3566.51,-2802.03 v1(3595.51,-2802.03)
  L08-SIG w5.58: v2(3285.94,-2297.08) 3309.18,-2273.84 3361.93,-2273.84 3411.93,-2323.84 3411.93,-2478.71 3455.52,-2522.3 3455.52,-2759.22 3488.46,-2792.17 3585.64,-2792.17 v1(3595.51,-2802.03)
NetAN1_1: AN1.1 D1.3 R108.1 | length 492.9
  L01-TOP w8: AN1.1@-71.24,-2821.46 99.84,-2821.46 176.62,-2898.24 178.58,-2898.24 D1.3@276.33,-2995.99 ; R108.1@274.73,-2931.54 276.33,-2933.14 D1.3@276.33,-2995.99 ; D1.3@276.33,-3003.87 D1.3@276.33,-2995.99
NetAN2_1: AN2.1 D1.2 R33.2 | length 606.1
  L01-TOP w8: AN2.1@-71.24,-3344.28 -71.24,-3216.59 7.87,-3137.48 237.21,-3137.48 D1.2@276.33,-3098.35 ; R33.2@271.83,-3170.48 276.33,-3165.97 D1.2@276.33,-3098.35 ; D1.2@276.33,-3090.48 D1.2@276.33,-3098.35